# Altium PCB Netscale48HD_Sensorbar_Master.PcbDoc (part 5 of 5)
Units mil, origin at the board's own origin, x right, y up, seen from the top; angles counter-clockwise.
Board outline 18271.78 x 661.42 mil, 6 copper layers (Top Layer, PWR_Layer, Top_Signal_Layer, Bottom_Signal_Layer, GND_Layer, Bottom Layer), stack 30.644 mil thick; 300 components, 206 nets, 1127 pads, 560 vias.
Unrouted connection lines stored in the file: 11.
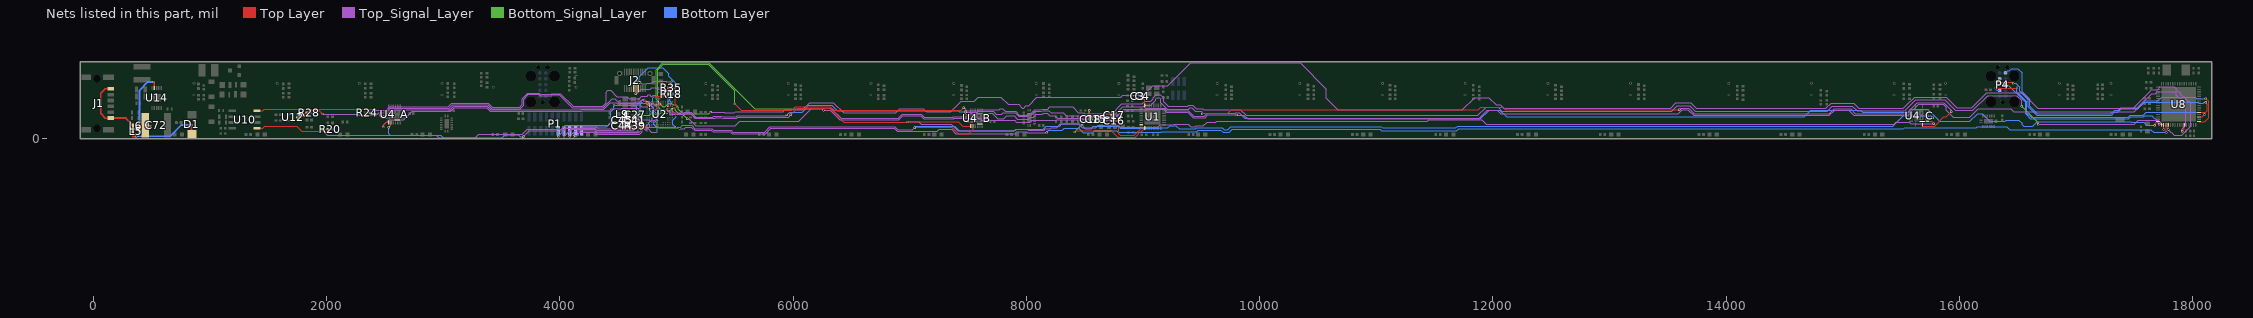
[diagram p9: the nets of this part, all layers, seen from the top]

## Via types
v1: diameter 19.68, hole 11.81, Top Layer to Bottom Layer, tented both sides, 265 vias
v2: diameter 21.65, hole 11.81, Top Layer to Bottom Layer, tented both sides, 108 vias
v3: diameter 9.84, hole 3.94, Top Layer to Bottom Layer, tented both sides, 103 vias
v4: diameter 19.68, hole 7.87, Top Layer to Bottom Layer, tented both sides, 51 vias
v5: diameter 23.62, hole 11.81, Top Layer to Bottom Layer, tented both sides, 24 vias
v6: diameter 21.65, hole 11.81, Top Layer to Bottom Layer, tented bottom, 9 vias

## Nets (pads, with @x,y where several pads share a name; then routed paths per layer and width w, separated by ;. In a path a pad name is that pad's centre, name@x,y a point inside that pad or via, vN(x,y) a via of type N, cw(c..) or ccw(c..) an arc to the next point about the centre after c; other vN are vias at no path point) (continued)
RS485_RTS: R28.1 U2.B7 U8.32 U12.2 | length 17258.3
  Top Layer w6: U12.2@1749.54,184.48 1784.65,184.48 1828.07,227.9 1830.34,230.17 R28.1@1835.52,224.98 ; R28.1@1833.26,222.71 1834.95,222.71 1835.76,221.9 1835.76,225.22 1853.97,243.43 1933.28,243.43 1967.7,209.01 v1(1967.7,212.71) ; v3(4858.38,306.69) U2.B7@4866.66,298.43 ; v1(17673.31,115.75) 17675.61,118.04 17675.61,134.59 17689.34,148.33 U8.32@17701.16,148.33
  Top_Signal_Layer w6: v1(1967.7,212.71) 2267.54,212.71 2278.45,201.8 2427.68,201.8 2449.37,223.49 2509.32,223.49 2548.28,262.45 3051.32,262.45 3081.87,293 3381.75,293 3414.76,259.99 3660.23,259.99 3689.99,289.75 3689.99,340.11 3730.59,380.71 3821.07,380.71 3831.65,370.13 3931.26,370.13 3937.5,376.37 3996.1,376.37 4106.74,265.73 4371.4,265.73 4450.8,345.13 4472.93,345.13 4507.18,310.88 4648.69,310.88 4654.65,316.84 4688.19,316.84 4703.29,331.94 4715.55,331.94 4725.39,322.09 4764.86,322.09 4796,290.94 4806.02,290.94 4806.85,291.78 4827.36,291.78 4828.24,290.9 4842.58,290.9 v3(4858.38,306.69) ; v1(6260.92,245.13) 6316.97,245.13 6399.17,162.92 6905.17,162.92 6940.89,198.64 7092.56,198.64 7119.9,171.29 7375.41,171.29 7378.85,174.73 7602.52,174.73 7617.86,159.39 7898.48,159.39 7914.04,143.83 8028.74,143.83 8045.7,160.79 8151.14,160.79 8151.84,160.09 8257.28,160.09 8260.46,163.27 8469.08,163.27 8470.42,161.93 8759.46,161.93 8837.57,240.04 9018.35,240.04 9030.33,252.02 9176.15,252.02 9198.3,229.87 9382.79,229.87 9430.76,181.9 9531.65,181.9 9554.81,205.06 9803.55,205.06 v1(9804.28,204.33)
  Bottom_Signal_Layer w6: v3(4858.38,306.69) 4827.09,337.98 4827.09,594.37 4883.17,650.46 5276.33,650.46 5670.44,256.35 6249.7,256.35 v1(6260.92,245.13)
  Bottom Layer w6: v1(9804.28,204.33) 9863.11,204.33 9897.33,170.11 11890.83,170.11 11966.11,245.39 12060.1,245.39 12117.77,187.72 14668.69,187.72 14726.35,245.38 15154.22,245.38 15170.59,229.02 15562.6,229.02 15587.06,253.48 15726.09,253.48 15830.01,149.56 16087.88,149.56 16155.3,216.98 16194.64,216.98 16259.1,152.52 16393.2,152.52 16401.74,161.06 16509.47,161.06 16538.27,132.26 16538.27,120.2 16550.98,107.48 16627.81,107.48 16665.31,144.98 17468.09,144.98 17472.82,140.25 17579.06,140.25 17603.56,115.75 v1(17673.31,115.75)
RS485_RXD: R20.1 U2.B6 U8.35 U10.1 | length 17033.1
  Top Layer w6: U10.1@1405.23,90 1451.92,90 1471.47,109.55 1744.7,109.55 1789.25,65 1966.04,65 v1(1967.7,66.66) 1983.04,82 R20.1@2011.67,82 ; v3(4833.94,266.18) 4846.97,279.22 U2.B6@4846.97,298.43 ; U8.35@17769.07,119.79 17769.8,119.05 17769.8,56.15 v1(17771.53,54.43)
  Top_Signal_Layer w6: v1(1967.7,66.66) 2004.67,29.69 2943.17,29.69 2963.61,9.25 3275.53,9.25 3305.11,38.84 3680.21,38.84 3722.37,81 4013.2,81 4048.66,116.46 4415.35,116.46 4434.74,135.86 4569.94,135.86 4598.88,164.8 4764.4,164.8 4772.17,157.04 4806.53,157.04 4806.82,157.33 4813.61,157.33 4819.02,162.74 4845.14,162.74 v3(4845.78,163.39) ; v3(5024.33,87.03) 5066.42,87.03 5080.14,100.76 5128.62,100.76 5154.96,74.41 5299.67,74.41 5313.79,60.29 5461.88,60.29 5477.26,44.91 5763.66,44.91 5808.9,90.14 6599.63,90.14 6600.37,90.88 6868.14,90.88 6893.61,65.41 7234.74,65.41 7251.26,81.93 7359.8,81.93 7396.58,45.14 7903.19,45.14 7918.54,60.49 7997.33,60.49 8005.96,51.86 8173.34,51.86 v1(8175.22,53.74)
  Bottom_Signal_Layer w6: v3(4845.78,163.39) 4845.67,163.28 4845.67,162.24 4836.5,153.06 4836.5,104.29 4847.4,93.38 5017.98,93.38 v3(5024.33,87.03)
  Bottom Layer w6: v3(4833.94,266.18) 4833.79,266.04 4833.79,259.82 4844.66,248.95 4844.66,246.3 4846.71,244.25 4846.71,232.8 4844.93,231.02 4844.93,202.34 4845.78,201.49 v3(4845.78,163.39) ; v1(8175.22,53.74) 8175.22,55.55 8193.46,73.78 8307.93,73.78 8325.99,91.84 8450.35,91.84 8489.45,52.74 8570.3,52.74 8588.16,70.61 8775.24,70.61 8789.66,56.19 9154.3,56.19 9158.64,60.53 9459.47,60.53 9471.81,72.87 9668.22,72.87 9686.02,55.08 9739.48,55.08 9765.34,80.95 11032.4,80.95 11044.09,69.25 11690.87,69.25 11706.18,84.56 15519.16,84.56 15528.94,94.34 16032.18,94.34 16032.86,93.65 16143.37,93.65 16153.12,103.4 16403.37,103.4 16428.23,78.54 17508.11,78.54 17509.83,76.83 17640.72,76.83 17663.11,54.43 v1(17771.53,54.43)
RS485_TXD: R24.1 U2.A6 U8.34 U10.4 | length 18045.2
  Top Layer w6: U10.4@1405.63,239.17 1452.2,239.17 1468.36,255.33 2371.59,255.33 ; R24.1@2370.72,222.71 2370.72,230.85 2371.59,231.71 2371.59,255.33 ; v2(2415.64,243.22) 2403.53,255.33 2371.59,255.33 ; v3(4841.7,352.36) 4841.7,351.32 4846.97,346.05 U2.A6@4846.97,318.11 ; v1(5499.58,298.98) 5554.9,243.65 5987.07,243.65 6019.2,275.78 6319.22,275.78 6351.35,243.65 7440.61,243.65 v1(7463.49,266.54) ; v1(17749.35,80.28) U8.34@17749.38,119.79
  Top_Signal_Layer w6: v2(2415.64,243.22) 2512.21,243.22 2543.34,274.35 3044.08,274.35 3074.73,305 3386.58,305 3419.69,271.9 3655.3,271.9 3678.08,294.68 3678.08,345.04 3725.66,392.61 3826.01,392.61 3836.58,382.04 3924.81,382.04 3931.05,388.28 4003.64,388.28 4114.28,277.64 4366.47,277.64 4396.93,308.1 4396.93,398.53 4412.82,414.42 4437.32,414.42 4489.48,362.25 4578.4,362.25 4597.19,343.46 4681.13,343.46 4704.22,366.54 4749.45,366.54 4759.33,376.42 4771.46,376.42 4781,366.88 4793.5,366.88 4802.26,375.64 4818.42,375.64 v3(4841.7,352.36) ; v1(7463.49,266.54) 7465.91,266.54 7490.59,241.85 7578.53,241.85 7586.56,249.89 7766.63,249.89 7774.67,257.92 7796.86,257.92 7820.4,234.39 7907.67,234.39 7938.58,203.47 8002.52,203.47 8019.36,220.32 8043.19,220.32 8070.84,247.97 8109.06,247.97 8124.59,247.97 8131.28,254.66 8182.98,254.66 8202.19,273.87 8395.98,273.87 8444.91,224.94 8491.59,224.94 8499.6,216.93 8736.68,216.93 8819.31,299.57 8993.7,299.57 9017.33,323.2 9067.74,323.2 9087.16,342.61 9087.16,351.74 9113.54,378.12 9149.61,378.12 9177.5,350.23 9177.5,318.01 9218.03,277.49 9381.87,277.49 9392.61,288.23 9427.97,288.23 9456.16,260.03 9512.88,260.03 9522.72,250.19 9833.17,250.19 9883.21,200.16 11871.25,200.16 11940.3,269.2 12009.81,269.2 12010.07,268.94 12046.13,268.94 12076.78,238.28 13532.11,238.28 13578.58,284.74 13686.67,284.74 13733.83,237.58 14864.8,237.58 14908.32,281.1 15080.95,281.1 15123.18,238.87 15530.48,238.87 15625.61,333.99 15873.85,333.99 15964.4,243.45 16113.55,243.45 16240.72,370.62 16491.85,370.62 16532.48,329.98 v1(16532.48,279.53) ; v1(16673.08,126.23) 17497.92,126.23 17530.21,158.51 17703.34,158.51 17749.35,112.5 v1(17749.35,80.28)
  Bottom_Signal_Layer w6: v3(4841.7,352.36) 4839.93,354.13 4839.93,590.38 4888.1,638.55 5271.4,638.55 5499.58,410.37 v1(5499.58,298.98) ; v1(16532.48,279.53) 16673.08,138.94 v1(16673.08,126.23)
RX1: C16.1 C17.2 U1.8 | length 507.9
  Top Layer w6: C16.1@8733.59,156.24 8726.63,163.19 8726.63,176.59 ; C17.2@8733.59,203.66 8726.63,196.71 8726.63,176.59 ; U1.8@8985.1,120.08 8985.1,90.98 8924.12,30 8804.58,30 8791.2,43.38 8791.2,103.15 8796.83,108.78 8796.83,167.94 8796.69,168.08 8796.69,168.5 8788.6,176.59 8726.63,176.59
RX2: C15.1 C18.2 U1.9 | length 1021.1
  Top Layer w6: v1(8415.08,58.91) 8425.97,69.79 8726.63,69.79 8784.61,11.81 8933.92,11.81 8964.17,42.07 8964.17,52.77 8972.51,61.1 8983.21,61.1 U1.9@9013.64,91.54 ; v1(8537.82,245.78) 8537.82,199.31 8552.05,185.08 C18.2@8553.52,185.08 ; C18.2@8553.27,185.04 8553.48,185.04 C18.2@8553.52,185.08 ; C15.1@8598.56,185.12 8553.56,185.12 C18.2@8553.52,185.08
  Top_Signal_Layer w6: v1@8537.82,242.14 v1(8537.82,245.78)
  Bottom_Signal_Layer w6: v1(8415.08,58.91) 8415.08,59.69 8537.82,182.43 v1(8537.82,245.78)
S01_A: U2.E12 U4_A.11 U4_B.11 U4_C.11 | length 14485.1
  Top Layer w6: v2(2533.32,99) 2537.56,99 2553.01,114.45 U4_A.11@2553.01,140.75 ; U2.E12@4965.08,239.37 4998.19,206.26 4998.19,199.67 v3(4998.93,198.93) ; v1(7042.23,96.06) 7045.91,99.74 7362.13,99.74 7417,44.87 7507.29,44.87 7543.17,80.75 U4_B.11@7543.17,108.74 ; U4_C.11@15720.37,170.01 15754.01,170.01 v2@15766.78,182.78
  Top_Signal_Layer w6: v2(3688.24,17.78) 3739.55,69.09 4018.13,69.09 4053.6,104.56 4310.05,104.56 4328.24,86.37 4628.27,86.37 4647.18,105.29 4740.1,105.29 4747.8,97.59 4796.65,97.59 4797.05,97.98 4807.55,97.98 4809.22,99.65 4868.44,99.65 4869.92,98.17 4988.92,98.17 4997.95,107.21 v3(4998.99,107.21) 5005.3,100.9 5035.02,100.9 5048.7,114.59 5131.63,114.59 5157.77,88.44 5302.48,88.44 5318.28,72.64 5377.03,72.64 5377.47,72.2 5469.1,72.2 5484.49,56.81 5756.53,56.81 5801.76,102.05 6594.7,102.05 6595.44,102.79 6873.07,102.79 6898.55,77.32 7023.49,77.32 v1(7042.23,96.06)
  Bottom Layer w6: v2(2533.32,99) 2533.32,43.11 2546.32,30.12 2978.44,30.12 2999.31,9.25 3506.84,9.25 3532.39,34.8 3646.07,34.8 3663.09,17.78 v2(3688.24,17.78) ; v3(4998.93,198.93) 4998.93,197.37 4998.19,196.64 4998.19,188.5 4967.48,157.78 4967.48,122.95 4985.06,105.37 4997.15,105.37 v3(4998.99,107.21) ; v1(7042.23,96.06) 7042.23,98.81 7051.67,108.26 7383.91,108.26 7423.47,68.7 7896.66,68.7 7912.26,84.3 8145.59,84.3 8170.79,109.5 8284.7,109.5 8302.76,127.56 8465.14,127.56 8504.24,88.46 8555.5,88.46 8573.37,106.32 8790.03,106.32 8804.45,91.9 9139.51,91.9 9143.84,96.24 9213.93,96.24 9231.71,114.02 9282.67,114.02 9310.12,86.57 9451.84,86.57 9461.95,96.69 9678.08,96.69 9695.88,78.89 9727.7,78.89 9753.57,104.76 11042.26,104.76 11053.96,93.06 11681.01,93.06 11696.32,108.37 15428.53,108.37 15517.78,197.61 15754.05,197.61 v2(15771.35,180.31)
S01_B: J2.9 U2.D12 | length 790.9
  Top Layer w6: J2.9@4633.86,431.1 4633.86,461.41 4656.82,484.38 v2(4659.42,484.38) ; U2.D12@4965.08,259.06 4966.44,259.06 4972.75,265.36 4995.86,265.36 5002.34,271.84 5002.34,286.37 4992.02,296.69 v3(4992.02,354.21)
  Bottom Layer w6: v2@4658.77,483.46 4680.64,505.33 4680.64,534.14 4757.81,611.32 4883.03,611.32 4935.69,558.65 4935.69,538.08 4992.02,481.76 v3(4992.02,354.21)
S02_A: U2.E11 U4_A.10 U4_B.10 U4_C.10 | length 14464.6
  Top Layer w6: v1(2488.05,100.8) 2488.05,115.43 2513.37,140.75 U4_A.10@2533.32,140.75 ; v3(4931.81,219.52) 4932.55,220.26 4932.55,226.52 U2.E11@4945.4,239.37 ; v2(5981.03,205.12) 6039.79,263.87 6314.29,263.87 6433.99,144.17 v1(6980.81,144.17) 6982.27,145.64 7416.07,145.64 7455.46,106.25 U4_B.10@7520.99,106.25 ; U4_C.10@15720.37,150.32 15759.51,150.32 v2(15779.29,130.54)
  Top_Signal_Layer w6: v1(2488.05,100.8) 2488.05,115.43 2538.28,165.66 2662.65,165.66 2735.64,238.64 3066.81,238.64 3093.91,265.73 3374.35,265.73 3405.18,234.91 4187.22,234.91 4194.23,241.92 4361.4,241.92 4361.53,241.79 4426.9,241.79 4443.04,257.93 4526.02,257.93 4529.4,261.31 4668.14,261.31 4674.13,267.29 v3(4675.17,267.29) ; v3(4931.81,219.52) 4932.85,219.52 4940.97,211.41 4991.86,211.41 4993.2,212.76 5005.46,212.76 5007.79,210.42 5070.82,210.42 5075,214.61 5122.36,214.61 5161.91,175.06 5331.25,175.06 5338.32,182.13 5389.32,182.13 5396.09,175.36 5516.19,175.36 5526.21,185.39 5961.3,185.39 v2(5981.03,205.12) ; v1(6980.81,144.17) 6982.27,145.64 7078.21,145.64 7100.18,123.67 7356.11,123.67 7410.83,68.95 7893.33,68.95 7908.67,84.3 8007.2,84.3 8015.83,75.67 8153.8,75.67 8163.79,85.66 8204.95,85.66 8213.58,94.29 8258.82,94.29 8292.09,127.56 8444.81,127.56 8478.1,94.27 8592.7,94.27 8616.66,118.23 8789.63,118.23 8807.7,100.16 9126.82,100.16 9146.72,120.05 9232.1,120.05 9232.21,119.95 9256.22,119.95 9262.21,125.93 9387.61,125.93 9409.25,104.29 9446.43,104.29 9454.2,112.06 9518.17,112.06 9549.86,143.76 9622.12,143.76 9630.9,152.54 11437.33,152.54 11449.23,164.44 11904.52,164.44 11942.74,126.23 15438.78,126.23 15453.62,141.07 15570.77,141.07 15583.32,128.53 15777.28,128.53 v2(15779.29,130.54)
  Bottom_Signal_Layer w6: v3(4675.17,267.29) 4675.17,225.39 4696.57,203.98 4770.87,203.98 4781.65,214.77 4820.21,214.77 4827.64,207.34 4850.03,207.34 4867.23,224.54 4878.68,224.54 4882.39,220.83 4910.56,220.83 4911.86,219.52 v3(4931.81,219.52)
S02_B: J2.11 U2.B11 | length 532.1
  Top Layer w6: v2(4651.44,387) 4653.54,389.11 J2.11@4653.54,431.1 ; U2.B11@4945.4,298.43 4945.4,298.31 4955.34,288.37 v3(4955.34,288.25)
  Top_Signal_Layer w6: v2(4651.44,387) 4653.8,389.37 4665.47,389.37 4700.26,424.16 4775.59,424.16 4788.48,437.05 4824.75,437.05 4837.63,424.16 4888.62,424.16 4902.15,410.63 v1(4953.26,410.63)
  Bottom Layer w6: v1(4953.26,410.63) 4953.26,382.48 4960.69,375.05 4960.69,356.87 4949.95,346.13 4949.61,346.13 4941.51,338.03 4941.51,326.18 4955.34,312.35 v3(4955.34,288.25)
S03_A: U2.E10 U4_A.9 U4_B.9 U4_C.9 | length 14568.3
  Top Layer w6: v1(2461.57,201.8) 2461.57,185.04 2467.48,179.13 U4_A.9@2504.78,179.13 ; v3(4908.18,259.45) 4908.19,256.69 4925.51,239.37 U2.E10@4925.71,239.37 ; v2@7469.3,220.81 7469.3,166.19 7488.37,147.13 U4_B.9@7494.94,147.13 ; v1(9506.24,212.55) 9514.41,220.72 9727.46,220.72 9756.12,249.38 11874.11,249.38 11893.93,269.2 12087.54,269.2 12107.13,249.61 v1(13597.34,249.61) ; U4_C.9@15681.99,121.78 15681.99,111.13 15684.5,108.61 15785.27,108.61 15865.75,189.09 15885.6,189.09 v1(15928.52,232.02)
  Top_Signal_Layer w6: v1(2461.57,201.8) 2504.47,201.8 2553.21,250.54 3061.88,250.54 3090.87,279.53 3378.38,279.53 3409.82,248.09 4178.06,248.09 4183.8,253.83 4377.33,253.83 4430.83,307.33 4482.78,307.33 4491.14,298.98 4653.62,298.98 4659.58,304.93 4691.71,304.93 4693.15,303.5 4718.21,303.5 4719.49,304.77 4738.29,304.77 4756.5,286.57 4779.85,286.57 4803.1,263.32 4803.1,259.43 4811.2,251.34 4826.14,251.34 4827.16,252.35 4903.65,252.35 v3@4907.99,256.69 ; v3@4910.44,255.12 4915.77,255.12 4947.58,223.32 4986.92,223.32 4988.27,224.66 5010.39,224.66 5012.73,222.33 5065.89,222.33 5070.07,226.51 5127.29,226.51 5166.84,186.97 5311.44,186.97 5318.51,194.04 5394.25,194.04 5401.02,187.27 5511.26,187.27 5521.28,197.29 5938.54,197.29 v1(5946.36,205.12) ; v2(7474.4,230.14) 7474.59,229.95 7583.46,229.95 7589.34,235.83 7714.56,235.83 7739.89,210.5 7789.6,210.5 7801.58,222.48 7902.74,222.48 7933.65,191.57 8007.45,191.57 8024.29,208.41 8048.12,208.41 8075.77,236.06 8104.12,236.06 8129.52,236.06 8136.21,242.76 8191.07,242.76 8211.74,222.09 8317.41,222.09 8340.48,199.02 8483.85,199.02 8487.93,194.93 8745.79,194.93 8826.61,275.76 9003.56,275.76 9015.54,287.73 9065.95,287.73 9110.97,332.75 9110.97,341.88 9123.4,354.31 9139.75,354.31 9151.31,342.75 9151.31,310.54 9208.17,253.68 9391.74,253.68 9402.48,264.42 9418.1,264.42 9447.43,235.09 9497.53,235.09 9506.24,226.38 v1(9506.24,212.55) ; v1(13597.34,249.61) 13601.04,249.61 13612.37,260.93 13676.8,260.93 13723.97,213.77 14880.71,213.77 14924.22,257.29 15065.35,257.29 15107.78,214.86 15543.89,214.86 15639.21,310.18 15863.99,310.18 15928.52,245.65 v1(15928.52,232.02)
  Bottom Layer w6: v1(5946.36,205.12) 5970.77,229.53 6077.52,229.53 6135.67,287.69 6329.67,287.69 6377.11,240.25 7414.2,240.25 7424.31,230.14 v2(7474.4,230.14)
S03_B: J2.13 U2.C10 | length 571.8
  Top Layer w6: J2.13@4673.23,431.1 4675.17,433.04 4675.17,471.5 4686.98,483.31 v2(4686.98,483.38) ; U2.C10@4925.71,278.74 4934.76,287.79 v3(4934.76,288.26)
  Top_Signal_Layer w6: v2@4686.82,479.43 4692.47,479.43 4701.77,470.13 4744.17,470.13 4748.52,474.48 4784.9,474.48 4803.59,493.17 4910.74,493.17 4914.83,489.08 v1(4957.25,489.08) ; v3(4934.76,288.26) v3@4935.18,287.8
  Bottom Layer w6: v3(4934.76,288.26) 4931.55,291.47 4931.55,319.3 4929.61,321.25 4929.61,416.24 4957.25,443.88 v1(4957.25,489.08)
TCK: P4.4 U8.53 | length 2213.4
  Top Layer w6: v1(16315.54,486.89) 16443.59,486.89 16455.07,475.41 v1(16458.75,475.41) ; U8.53@18053.52,227.07 18054.25,227.8 18110.33,227.8 18121.52,238.99 18121.52,298.25 18110.33,309.43 v1(18110.33,313.14)
  Bottom Layer w6: v1(16315.54,486.89) 16315.72,486.89 P4.4@16343.79,514.96 ; v1(16458.75,475.41) 16483.52,475.41 16516.32,442.6 16516.32,408.82 16589.18,335.96 16589.18,274.08 16661.7,201.56 17303.04,201.56 17328.15,226.66 17357.29,226.66 17386.87,256.24 17529.19,256.24 17587.47,314.52 17739.46,314.52 17739.65,314.72 18044.39,314.72 18052.36,306.75 18089.5,306.75 18095.89,313.14 v1(18110.33,313.14)
TDI: P4.8 U8.33 | length 1565.9
  Top Layer w6: v1(17711.13,124.2) 17723.81,124.2 17728.96,119.05 U8.33@17729.7,119.79
  Bottom Layer w6: P4.8@16393.79,464.96 16414.34,464.96 16565.37,313.93 16565.37,213.46 16605.16,173.68 17451.91,173.68 17467.88,189.65 17578.3,189.65 17587.32,198.67 17648.39,198.67 17688.95,158.11 17688.95,146.38 v1(17711.13,124.2)
TDO: P4.6 U8.49 | length 2359
  Top Layer w6: U8.49@18053.52,148.33 18103.8,148.33 18134.26,178.79 18134.26,320.9 18110.33,344.83 v1(18110.33,345.18)
  Bottom Layer w6: P4.6@16393.79,564.96 16411.03,582.2 16424.72,582.2 16445.42,602.91 16500.13,602.91 16538.27,564.77 16538.27,403.71 16601.09,340.89 16601.09,279.01 16666.64,213.46 17298.11,213.46 17329.06,244.41 17358.2,244.41 17381.95,268.17 17524.28,268.17 17582.54,326.43 17700.82,326.43 17732.41,358.02 18021.66,358.02 18034.5,345.18 v1(18110.33,345.18)
TMS: P4.2 U8.51 | length 2110
  Top Layer w6: v1(16309.33,435.11) 16488.19,435.11 v1(16491.85,438.76) ; U8.51@18053.52,187.7 18081.09,187.7 v1(18102.45,209.06)
  Bottom Layer w6: v1(16309.33,435.11) 16309.33,423.26 16317.63,414.96 P4.2@16343.79,414.96 ; v1(16491.85,438.76) 16491.85,404.29 16577.27,318.86 16577.27,221 16612.69,185.58 17446.83,185.58 17462.8,201.56 17573.37,201.56 17599.91,228.1 18083.4,228.1 v1(18102.45,209.06)
TRACECK: P1.12 U2.B2 | length 1277.9
  Top Layer w6: v3(4757.94,308.27) 4758.17,308.27 4768.01,298.43 U2.B2@4768.23,298.43
  Top_Signal_Layer w6: v1(3985.98,21.29) 4057.35,92.65 4305.12,92.65 4323.31,74.46 4633.2,74.46 4652.12,93.38 4735.17,93.38 4742.97,85.58 4756.48,85.58 4785.79,56.27 4829.22,56.27 v3(4833.58,60.63)
  Bottom Layer w6: v1(3985.98,21.29) P1.12@3985.98,68.87 ; v3(4757.94,308.27) 4779.12,287.08 4781.58,287.08 4802.03,266.64 4802.03,245.73 4831.74,216.01 4831.74,160.53 4816.63,145.42 4811.91,145.42 4803.81,137.32 4803.81,125.7 4833.58,95.93 v3(4833.58,60.63)
TRACED0: P1.14 U2.A1 | length 1065
  Top Layer w6: v3(4726.23,340.81) 4726.23,340.62 4748.55,318.3 U2.A1@4748.55,318.11
  Top_Signal_Layer w6: v1@4036.57,20.7 4096.62,80.75 4300.19,80.75 4318.38,62.56 4669.04,62.56 4673.61,67.13 4674.13,67.13 v3(4674.13,67.65)
  Bottom Layer w6: v1(4035.98,21.29) P1.14@4035.98,68.87 ; v3@4674.13,69.42 4674.13,142.52 4663.56,153.08 4663.56,207.92 4665.21,209.58 4665.21,236.25 4661.34,240.12 4661.34,289.84 4712.31,340.81 v3(4726.23,340.81)
TRACED1: P1.16 U2.B1 | length 1010.6
  Top Layer w6: v3(4709.17,318.11) 4711.32,320.26 4726.71,320.26 U2.B1@4748.55,298.43
  Top_Signal_Layer w6: v1@4086.57,20.7 4134.72,68.84 4295.26,68.84 4313.45,50.65 4676.77,50.65 v3(4693.77,67.65)
  Bottom Layer w6: v1(4085.98,21.29) P1.16@4085.98,68.87 ; v3(4693.77,67.65) 4693.77,118.6 4687.37,124.99 4687.37,158.04 4675.47,169.95 4675.47,202.99 4688.85,216.38 4688.85,256.57 4688.99,256.71 4688.99,297.94 v3(4709.17,318.11)
TRACED2: P1.18 U2.C2 | length 995.4
  Top Layer w6: U2.C2@4768.23,278.74 U2.C2@4768.23,278.74 v3(4778.06,268.8) v3(4778.06,268.8)
  Top_Signal_Layer w6: v1(4121.16,21.29) 4123.78,23.91 4139.78,23.91 4172.81,56.94 4290.32,56.94 4308.51,38.75 4684.42,38.75 4707.95,62.28 4707.95,74.22 4715.21,81.48 4727.5,81.48 4735.3,73.68 4739.61,73.68 4745.63,67.65 v3(4746.67,67.65)
  Bottom Layer w6: v1(4121.16,21.29) 4121.16,24.99 4124.48,28.31 4124.48,57.37 P1.18@4135.98,68.87 ; v3(4746.67,67.65) 4747.41,68.38 4747.41,81.29 4771.81,105.69 4771.81,117.14 4764.24,124.72 4764.24,136.83 4791.89,164.48 4791.89,176.81 4801.2,186.12 4801.2,220.61 4793.63,228.19 4784.76,228.19 4772.51,240.44 4772.51,253.76 4777.33,258.58 4777.33,268.07 v3(4778.06,268.8)
TRACED3: P1.20 U2.D2 | length 778.4
  Top Layer w6: v3(4758.18,269.14) U2.D2@4768.23,259.09 ; U2.D2@4767.83,259.06 U2.D2@4768.23,259.06
  Top_Signal_Layer w6: v1(4464.68,288.58) 4464.68,288.19 4464.29,287.8 4465.01,287.07 4658.55,287.07 4664.51,293.03 4686.78,293.03 4704.27,275.54 4711.05,275.54 4711.45,275.15 4751.13,275.15 4757.14,269.14 v3(4758.18,269.14)
  Bottom Layer w6: P1.20@4185.98,68.87 4185.98,93.74 4197.48,105.24 4404.12,105.24 4438.64,139.76 4438.64,232.58 4464.68,258.62 v1(4464.68,288.58)
TWI_SCL_3.3V: R18.1 U2.B5 U8.36 | length 14929.5
  Top Layer w6: U2.B5@4827.29,298.43 4827.48,298.43 4833.78,304.72 v3(4833.97,304.72) ; v3(4862.59,353.5) 4875.97,353.5 4883.15,360.68 4894.92,360.68 4897.59,363.34 4914.64,363.34 4929.3,378 R18.1@4935.11,378 ; v1(17788.75,79.81) U8.36@17788.75,119.79
  Top_Signal_Layer w6: v1(5293.81,229.53) 5294.04,229.76 5409.04,229.76 5415.81,222.98 5496.47,222.98 5506.49,233.01 5914.06,233.01 5930.19,249.13 6080.03,249.13 6142.4,311.5 6343.95,311.5 6433,222.45 6880.52,222.45 6916.23,258.17 7117.21,258.17 7144.56,230.82 7350.75,230.82 7440.93,321 7551.35,321 7587.76,357.41 7781.56,357.41 7844.49,294.48 7933.03,294.48 7964.51,263 7977.86,263 7996.78,281.92 8018.37,281.92 8090.87,354.42 8807.06,354.42 8825.42,372.78 8999.56,372.78 9083.56,456.78 9211.74,456.78 9407.08,652.12 10345.9,652.12 10572.04,425.97 10572.04,348.77 10670.62,250.19 11738.77,250.19 11842.73,354.15 11965.85,354.15 12027.25,292.75 12062.05,292.75 12092.7,262.09 13522.25,262.09 13568.71,308.56 13696.53,308.56 13743.69,261.39 14854.94,261.39 14898.45,304.91 15093.62,304.91 15135.86,262.68 15519.09,262.68 15549.16,292.75 15549.27,292.75 15614.33,357.8 15883.72,357.8 15974.26,267.26 16103.69,267.26 16232.64,396.21 16535.62,396.21 16670.66,261.17 17490.84,261.17 17636.13,406.47 17636.13,411.4 17647.11,422.39 17697.72,422.39 17719.97,444.64 17842.24,444.64 17858.59,428.28 17858.59,418.12 17873.2,403.51 17882.92,403.51 17897.54,388.89 17897.54,379.17 17915.78,360.93 17925.5,360.93 17939.39,347.04 17939.39,337.32 17956.19,320.53 17967.65,320.53 17982.7,305.48 17982.7,110.04 17902.69,30.03 17838.53,30.03 v1(17788.75,79.81)
  Bottom_Signal_Layer w6: v3(4833.97,304.72) 4846.05,292.64 4865.05,292.64 4884.42,273.28 4900.82,273.28 4920.93,293.39 4920.93,293.99 4933.29,306.35 4956.82,306.35 4972.28,290.89 4996.37,290.89 5014.49,272.77 5014.49,254.24 5035.78,232.94 5042.87,232.94 5061.59,214.22 5278.5,214.22 v1(5293.81,229.53)
  Bottom Layer w6: v3(4833.97,304.72) 4833.97,322.87 4861.86,350.75 4861.86,352.76 v3(4862.59,353.5)
TWI_SDA_3.3V: R35.1 U2.B3 U8.43 | length 14516.7
  Top Layer w6: U2.B3@4787.92,298.43 4787.92,299.08 4792.51,303.67 4792.6,303.67 4797.2,308.27 v3(4798.24,308.27) ; v3(4807.99,361.81) 4810.76,364.58 4865.97,364.58 4871.22,369.83 4884.35,369.83 4909.7,395.18 4909.7,419.03 R35.1@4929.26,438.58 ; v1(17909.93,63.78) 17909.93,71.61 17926.55,88.24 U8.43@17926.55,119.79
  Top_Signal_Layer w6: v1(5092.63,172.05) 5095.25,169.43 5110.46,169.43 5167.63,112.25 5503.59,112.25 5541.01,149.67 6047.92,149.67 6162.12,263.87 6324.22,263.87 6413.27,174.83 6900.24,174.83 6935.96,210.54 7097.49,210.54 7124.84,183.2 7370.48,183.2 7374.76,187.48 7489.53,187.48 7520.09,218.04 7709.16,218.04 7754.38,172.82 7807.15,172.82 7818.76,184.43 7818.76,186.51 7829.74,197.49 7894.05,197.49 7923.79,167.76 8017.31,167.76 8034.15,184.6 8057.98,184.6 8085.63,212.25 8139.38,212.25 8146.07,218.94 8181.11,218.94 8201.78,198.28 8244.97,198.28 8268.04,175.2 8473.98,175.2 8476.25,172.93 8754.91,172.93 8833.92,251.94 9013.42,251.94 9025.4,263.92 9181.09,263.92 9203.24,241.77 9387.72,241.77 9435.69,193.8 9526.71,193.8 9550.38,217.47 9790.91,217.47 9796.52,223.08 9825.99,223.08 9872.72,176.35 11881.11,176.35 11950.16,245.39 11999.95,245.39 12000.21,245.13 12036.27,245.13 12067.62,213.77 13588.39,213.77 13606.35,231.73 13606.74,231.73 13624.04,249.03 13671.87,249.03 13720.43,200.48 14884.25,200.48 14929.16,245.38 15051.45,245.38 15093.88,202.95 15554.2,202.95 15649.53,298.28 15859.06,298.28 15887.52,269.81 15887.52,246.5 15947.23,186.8 16089.28,186.8 16161.23,258.75 16439.48,258.75 16465.13,233.11 17496.44,233.11 17648.23,384.89 17677.06,384.89 17695.55,403.38 17849.26,403.38 17858.59,394.06 17858.59,374.82 17875.09,358.32 17897.69,358.32 17901.21,354.8 17901.21,332.2 17918.69,314.72 17936.93,314.72 17940.95,310.69 17940.95,116.53 17909.93,85.51 v1(17909.93,63.78)
  Bottom_Signal_Layer w5.91: 4976.14,262.95 4981.85,262.95 4990.08,254.71 4990.08,243.42 5001.25,232.25
  Bottom_Signal_Layer w6: v3(4798.24,308.27) 4798.37,308.27 4823.46,283.17 4836.5,283.17 4847.78,271.89 4847.78,267.12 4866.55,248.35 4899.53,248.35 4902.26,245.62 4951.02,245.62 4968.34,262.95 4976.14,262.95 ; 5001.25,232.25 5012.46,221.04 5037.94,221.04 5061.12,197.85 5066.83,197.85 v1(5092.63,172.05)
  Bottom Layer w6: v3(4798.24,308.27) 4798.24,351.87 4807.99,361.62 v3(4807.99,361.81)
VCC: C72.2 L5.2 L6.2 U14.4 | length 755.3
  Top Layer w12: v1(513.83,487.66) 524.37,477.11 U14.4@524.34,436.79
  Top Layer w19.68: L5.2@394.24,65.73 L6.2@394.24,111.94 442.54,111.94 442.54,121.74 445.7,124.9 C72.2@445.7,115.1 455.71,105.09 v1(496.25,105.09)
  Bottom Layer w16: v1(496.25,105.09) 445.72,105.09 398.03,152.79 398.03,416.21 469.47,487.66 v1(513.83,487.66)
VCCBus: D1.1 J1.1 J1.6 L5.1 L6.1 | length 1339.1
  Top Layer w11.81: J1.1@156.66,177.48 105.03,177.48 63.75,218.76 63.75,389.23 102,427.48 156.66,427.48 J1.6@169.66,427.48
  Top Layer w16: J1.1@156.66,177.48 163.16,177.48 163.81,178.14 280.81,178.14 339.12,119.82 L6.1@339.12,111.94 L5.1@339.12,65.73 339.12,24.01 342.19,20.95 368.37,20.95 v1(369.07,21.65) ; D1.1@840.24,35 D1.1@843.76,38.52 ; v1(843.76,116.73) D1.1@843.76,38.52 ; D1.1@846.4,41.16 D1.1@843.76,38.52
  Bottom Layer w16: v1(369.07,21.65) 659.08,21.65 756.13,118.7 841.79,118.7 v1(843.76,116.73)
VDD-X: C3.2 C4.2 U1.32 | length 115
  Top Layer w6: C3.2@8954.33,343.88 8960.53,350.08 8995.57,350.08 9013.64,332.01 U1.32@9013.64,286.42
VDDA: C44.2 C45.2 L9.2 R39.1 U2.M1 | length 396.7
  Top Layer w6: L9.2@4570.73,211.27 4570.73,209.3 4527.23,165.8 4524.1,165.8 C45.2@4517.26,158.96 C44.2@4517.26,111.23 4517.26,98.16 4524.79,90.63 4625.84,90.63 ; R39.1@4625.84,111.23 4625.84,90.63 ; 4646.47,90.52 4737.49,90.52 U2.M1@4748.55,101.58 ; 4646.47,90.63 4625.84,90.63
VREF+: C27.2 C41.2 R39.2 U2.L1 | length 184.5
  Top Layer w8: C27.2@4666.15,204.55 4665.21,203.61 C41.2@4665.21,159.22 R39.2@4665.21,111.23 4669.18,107.26 4677.96,107.26 4734.55,107.26 U2.L1@4748.55,121.26
pads on no net: C1.0 C2.0 C3.0 C4.0 C5.0 C6.0 C7.0 C8.0 C9.0 C10.0 C11.0 C12.0 C13.0 C14.0 C15.0 C16.0 C17.0 C18.0 C19.0 C20.0 C21.0 C22.0 C23.0 C24.0 C25.0 C27.0 C29.0 C41.0 C44.0 C45.0 C51.0 C52.0 C54.0 C55.0 C58.0 C59.0 C61.0 C62.0 C65.0 C66.0 C75.0 C76.0 C77.0 C78.0 C79.0 C80.0 C81.0 C82.0 C83.0 C84.0 C85.0 C86.0 C87.0 C88.0 J1.0 J2.21 J2.22 J2.23 J2.24 L1.0 L2.0 L9.0 P1.7 P1.9 P1.11 P1.13 P3.5 P3.7 P3.None P4.5 P4.7 P4.9 P4.None R1.0 R2.0 R3.0 R4.0 R6_A.0 R6_B.0 R6_C.0 R7_A.0 R7_B.0 R7_C.0 R8_A.0 R8_B.0 R8_C.0 R9_A.0 R9_B.0 R9_C.0 R10_A.0 R10_B.0 R10_C.0 R11_A.0 R11_B.0 R11_C.0 R12_A.0 R12_B.0 R12_C.0 R13_A.0 R13_B.0 R13_C.0 R14_A.0 R14_B.0 R14_C.0 R15_A.0 R15_B.0 R15_C.0 R16.0 R17_A.0 R17_B.0 R17_C.0 R18.0 R19_A.0 R19_B.0 R19_C.0 R20.0 R21_A.0 R21_B.0 R21_C.0 R22.0 R23_A.0 R23_B.0 R23_C.0 R24.0 R25_A.0 R25_B.0 R25_C.0 R26.0 R27_A.0 R27_B.0 R27_C.0 R28.0 R30.0 R32.0 R33.0 R35.0 R38.0 R39.0 R40.0 R41.0 R42.0 TVS1.3 TVS1.7 U1.12 U1.14 U1.20 U1.22 U1.27 U2.A2 U2.A5 U2.B9 U2.B10 U2.B12 U2.C3 U2.C9 U2.C12 U2.D10 U2.D11 U2.H10 U2.H11 U2.H12 U2.J12 U2.K9 U2.K10 U2.K11 U2.K12 U2.L6 U2.L8 U2.L12 U2.M6 U2.M7 U2.M10 U2.M11 U4_A.6 U4_B.6 U4_C.6 U8.1 U8.3 U8.4 U8.5 U8.6 U8.9 U8.10 U8.11 U8.13 U8.14 U8.15 U8.19 U8.23 U8.25 U8.37 U8.38 U8.40 U8.41 U8.42 U8.44 U8.47 U8.48 U8.50 U8.52 U8.56 U8.57 U8.59 U8.63 U14.7 U14.9
copper on no net:
  other v5: 5116.44,375.38 7242.18,375.64 7950.89,375.61 8659.82,375.73 9502.34,375.72 10919.34,375.74 730.18,376.97 1442.87,377.03 2856.86,376.77 5824.86,376.65 6533.88,376.61 10210.7,376.53 11627.8,376.75 12336.85,376.54 13045.33,376.54 13887.97,376.54 14596.51,376.54 15305.11,376.54 16013.76,376.44 16722.24,376.53 17431.25,376.53 2147.26,377.38 3564.08,541.64 4273.58,542.1

## Polygon pours and split planes (outlines as drawn)
GND on Bottom Layer "Bottom_Layer" (solid, pour order 54): -104.55,5.68 -104.55,662.18 613.77,662.18 613.77,274.62 4405.75,274.62 4405.75,665.33 5013.44,665.33 5013.44,266.18 8803.16,266.18 8803.16,662.18 9400.9,662.18 9400.9,280.68 13193.32,280.68 13193.33,662.18 13774.07,662.18 13774.07,280.68 17588.02,280.68 17588.02,662.18 18158.83,662.18 18158.83,5.67
GND on Top Layer "Top_Layer" (solid, pour order 58): -104.55,5.68 -104.55,662.18 613.77,662.18 613.77,274.62 4405.75,274.62 4405.75,665.33 5013.44,665.33 5013.44,266.18 8803.16,266.18 8803.16,662.18 9400.9,662.18 9400.9,280.68 13193.32,280.68 13193.33,662.18 13774.07,662.18 13774.07,280.68 17588.02,280.68 17588.02,662.18 18158.83,662.18 18158.83,5.67
GND on Top_Signal_Layer "Top_Signal_Layer" (solid, pour order 62): -104.55,5.68 -104.55,662.18 613.77,662.18 613.77,274.62 4405.75,274.62 4405.75,665.33 5013.44,665.33 5013.44,266.18 8803.16,266.18 8803.16,662.18 9400.9,662.18 9400.9,280.68 13193.32,280.68 13193.33,662.18 13774.07,662.18 13774.07,280.68 17588.02,280.68 17588.02,662.18 18158.83,662.18 18158.83,5.67
GND on Bottom_Signal_Layer "Bottom_Signal_Layer" (solid, pour order 36): -110.11,0 -110.12,656.5 608.21,656.5 608.21,268.94 4400.18,268.94 4400.18,659.65 5007.88,659.65 5007.88,260.5 8797.6,260.5 8797.6,656.5 9395.34,656.5 9395.34,275 13187.76,275 13187.76,656.5 13768.5,656.5 13768.5,275 17582.46,275 17582.46,656.5 18153.27,656.5 18153.27,-0.01
3V3 on PWR_Layer "PWR_Layer" (solid, pour order 66): -104.55,5.68 -104.55,662.18 613.77,662.18 613.77,274.62 4405.75,274.62 4405.75,665.33 5013.44,665.33 5013.44,266.18 8803.16,266.18 8803.16,662.18 9400.9,662.18 9400.9,280.68 13193.32,280.68 13193.33,662.18 13774.07,662.18 13774.07,280.68 17588.02,280.68 17588.02,662.18 18158.83,662.18 18158.83,5.67
no net on GND_Layer "GND_Layer" (solid, pour order 70): -104.55,5.7 -104.55,662.19 613.77,662.19 613.77,274.63 4405.75,274.63 4405.75,665.34 5013.44,665.34 5013.44,266.19 8803.16,266.19 8803.16,662.19 9400.9,662.19 9400.9,280.7 13193.32,280.7 13193.33,662.19 13774.07,662.19 13774.07,280.7 17588.02,280.7 17588.02,662.19 18158.83,662.19 18158.83,5.68

## Keep-outs
Keep-Out Layer:
  circle w0.51: c14962.6,196.85 r39.37
  circle w0.51: c11986.22,196.85 r39.37
  circle w0.51: c6175.2,196.85 r39.37
  circle w0.51: c3198.86,196.57 r39.37
  lines w0.39: 708.11,0.2 cw(c730.28,-7.95) 752.45,0.2
  lines w0.5: -110.24,661.42 -110.24,0 ; 1606.92,0 1007.76,0 -110.24,0 ; 1651.46,0 2250.62,0 ; 2295.16,0 2894.32,0 ; 2938.86,0 3538.02,0 ; 3582.56,0 4181.72,0 ; 4226.27,0 5309.68,0 ; 5354.22,0 5953.38,0 ; 5997.92,0 6597.08,0 7240.78,0 7884.48,0 8528.18,0 9656.13,0 10299.83,0 10943.53,0 11587.24,0 ; 12275.48,0 12874.64,0 ; 12919.18,0 14002.59,0 ; 14047.13,0 14646.29,0 ; 14690.83,0 15289.99,0 ; 15334.53,0 15933.69,0 ; 15978.23,0 16577.39,0 ; 16621.93,0 17221.09,0 ; 18161.42,0 -110.24,0
  lines w0.51: -110.24,661.38 18161.42,661.42 18161.42,0 17165.83,0

## Other copper
PWR_Layer:
  region: -106.5,-1045.39

## Silkscreen, mask and mechanical layers (free items; w line width, h text height)
Top Overlay:
  lines w3.94: 908.36,515.12 912.44,515.12 948.43,479.13 948.43,475.9 ; 963.48,520.24 996.23,520.24 1001.49,516.33 1001.64,515.31
  lines w4.5: 958.66,164.57 969.69,175.59 998.04,175.59 1049.61,175.59 1063.39,161.81 ; 959.06,207.48 962.99,211.42 ; 963.39,211.42 987.01,211.42 1007.48,211.42 1051.57,211.42 1063.39,199.61 ; 8944.98,443.24 8952.53,443.24 8964.94,455.65 8964.94,466.2
  text "PCB version 0.2" at 13950.26,75.52 h23.62
Bottom Overlay:
  text "PCB version 0.2" at 18144.22,80.28 h23.62
Antenna_Dimensions:
  lines w0.39: -110.36,661.42 -110.36,819.22 ; 0,641.69 18161,641.69 ; 730.18,-78.74 730.18,459.02 ; 730.28,661.42 730.28,459.02 17431.1,459.02 ; 1438.84,-47.1 1438.84,459.02 ; 2147.5,-91.72 2147.5,459.02 ; 3564.82,-99.04 3564.82,459.02 ; 4273.48,-92.79 4273.48,459.02 ; 4564.96,501.97 4722.44,501.97 ; 4643.7,0 4643.7,2127 ; 5116.14,-98.99 5116.14,462.26 ; 5116.14,-34 5116.14,688.19 ; 5824.8,-100.54 5824.8,459.02 ; 6533.46,-89.54 6533.46,459.02 ; 7242.13,-106.72 7242.13,459.02 ; 7950.79,-111.62 7950.79,459.02 ; 8659.45,-150.97 8659.45,459.02 ; 9080.71,-129.83 9080.71,944.88 ; 9501.97,-111.08 9501.97,459.02 ; 10210.63,-125.55 10210.63,459.02 ; 10919.29,-103.08 10919.29,459.02 ; 11627.95,-151.59 11627.95,459.02 ; 12336.61,-111.08 12336.61,459.02 ; 13045.28,-96.61 13045.28,459.02 ; 13474.41,331.03 13474.41,586.24 ; 14596.46,-105.29 14596.46,459.02 ; 15305.12,-123.1 15305.12,459.02 ; 16013.78,-95.81 16013.78,459.02 ; 16722.44,-98.46 16722.44,459.02 ; 17431.1,-119.68 17431.1,459.02 ; 17431.1,693 17431.1,459.02 ; 18161.42,-66.38 18161.42,701.42
Antenna_Position:
  drawing of 347 lines, arcs and shapes, not listed
  text "2" at 1450.39,249.69 h19.68
  text "7" at 5131.72,249.69 h19.68
  text "8" at 5848.1,249.69 h19.68
  text "9" at 6556.76,249.69 h19.68
  text "10" at 7265.44,249.69 h19.68
  text "11" at 7974.1,249.69 h19.68
  text "12" at 8682.75,249.69 h19.68
  text "13" at 9533.16,249.69 h19.68
  text "14" at 10241.82,249.69 h19.68
  text "15" at 10948.82,249.69 h19.68
  text "16" at 11651.97,249.69 h19.68
  text "17" at 12379.92,249.69 h19.68
  text "18" at 13073.62,249.69 h19.68
  text "19" at 13925.59,249.69 h19.68
  text "20" at 14631.89,249.69 h19.68
  text "21" at 15344.18,249.69 h19.68
  text "22" at 16052.36,249.69 h19.68
  text "23" at 16761.1,249.69 h19.68
  text "24" at 17471.26,249.69 h19.68
  text "1" at 753.54,247.68 h19.68
  text "3" at 2163.99,247.68 h19.68
  text "4" at 2871.72,247.68 h19.68
  text "5" at 3580.4,247.68 h19.68
  text "6" at 4289.05,247.68 h19.68
Drill_Hole_Dimensions:
  circle w0.39: c0,0 r23.62
  circle w0.79: c31.85,90.55 r31.5
  circle w0.5: c14962.6,196.85 r39.37
  circle w0.5: c11986.22,196.85 r39.37
  circle w0.5: c11986.22,196.85 r39.37
  circle w0.5: c3198.82,196.85 r39.37
  circle w0.5: c3198.82,196.85 r39.37
  circle w0.5: c6175.2,196.85 r39.37
  lines w0: 18161.42,0 18161.42,661.42
  lines w0.39: -415.28,1175.67 -0.68,1175.67 0,1174.99 ; -163.23,0 -110.11,0 0,0 ; -163.23,90.55 163.23,90.55 ; -110.36,661.42 -108.19,663.59 ; -110.24,663.59 -110.24,1364.02 ; -44.49,-68.23 0.06,-23.68 ; -20.88,20.88 0,0 ; -20.86,-20.88 -20.88,-20.88 0,0 ; -16.68,-16.73 -16.68,-16.68 ; -16.68,16.68 -16.68,16.73 ; 0,669.29 0,0 ; 16.68,16.68 16.68,16.73 ; 20.88,-20.88 0,0 ; 20.88,20.88 0,0 ; 31.5,-44.49 31.5,763.27 ; 43.04,-66.65 0,-23.62 0.12,-23.74 0.12,-258.03 -0.08,-258.23 279.13,-258.23 279.84,-257.52 ; 707.9,-0.04 cw(c730.18,-7.91) 752.45,-0.04 ; 707.92,0 -110.24,0 -110.24,661.42 0,661.42 18161.42,661.42 ; 1461.11,-0.04 ccw(c1438.84,-7.91) 1416.57,-0.04 752.43,0 752.39,-0.04 ; 1461.09,0 2124.3,-0.04 ; 2124.3,0.09 cw(c2147.5,-7.91) 2170.68,0.13 ; 2170.68,0 2833.9,-0.04 cw(c2856.16,-7.91) 2878.43,-0.04 ; 2878.42,0 3542.55,-0.04 cw(c3564.82,-7.91) 3587.09,-0.04 ; 3587.08,0 4251.23,-0.04 cw(c4273.48,-7.91) 4295.75,-0.04 ; 4295.74,0 5093.88,0 ; 4702.76,330.45 4702.76,585.65 ; 5093.87,-0.04 cw(c5116.14,-7.91) 5138.41,-0.04 ; 5138.41,0 5802.62,-0.04 ; 5802.53,-0.04 cw(c5824.8,-7.91) 5847.07,-0.04 ; 5847.1,0 6511.23,-0.04 cw(c6533.46,-7.91) 6555.74,-0.04 ; 6555.64,0 7219.86,0 ; 7219.85,-0.04 cw(c7242.13,-7.91) 7264.4,-0.04 ; 7264.57,0.08 7928.53,-0.04 cw(c7950.79,-7.91) 7973.06,-0.04 ; 7973.04,0 8637.18,-0.04 cw(c8659.45,-7.91) 8681.72,-0.04 ; 8681.71,0 9479.69,0 ; 9080.71,-549.96 9080.71,989 ; 9479.7,-0.04 cw(c9501.97,-7.91) 9524.24,-0.04 ; 9524.17,0 10188.36,-0.04 cw(c10210.63,-7.91) 10232.9,-0.04 ; 10232.89,0 10897.02,-0.04 cw(c10919.29,-7.91) 10941.56,-0.04 ; 10941.55,0 11605.68,-0.04 cw(c11627.95,-7.91) 11650.22,-0.04 ; 11650.21,0 12314.36,-0.04 cw(c12336.61,-7.91) 12358.89,-0.04 ; 12358.87,-0.04 13023,-0.04 cw(c13045.28,-7.92) 13067.55,-0.04 ; 13067.53,0 13865.52,-0.04 cw(c13887.8,-7.91) 13910.07,-0.04 ; 13910.05,0 14574.19,0 ; 14574.19,-0.04 cw(c14596.46,-7.92) 14618.73,-0.04 ; 14618.71,0 15282.85,-0.04 cw(c15305.12,-7.91) 15327.39,-0.04 ; 15159.45,196.85 18508.58,195.4 ; 15327.39,0.01 15991.91,-0.04 ; 15991.91,0.11 cw(c16013.78,-7.91) 16035.65,0.11 ; 16035.65,0.01 16700.57,-0.04 ; 16700.57,0.11 cw(c16722.44,-7.91) 16744.31,0.11 ; 16744.31,0.01 17408.85,-0.04 ; 17398.06,0 18161.42,0 ; 17408.83,-0.04 cw(c17431.1,-7.91) 17453.37,-0.04 ; 18161.51,0 18496.69,0 ; 18416.27,54.59 18470.86,0 ; 18416.48,140.85 18471.08,195.45 ; 18470.77,0 18471.15,0 18471.15,195.42 18525.74,140.83 ; 18470.93,-0.03 18525.53,54.57 ; 752.39,-0.04 752.43,-0.04 ; 16.7,-16.71 16.7,-16.7
  lines w0.5: 3001.97,196.85 3395.67,196.85 ; 3198.82,1.46 3198.82,1704.21 ; 5979.18,196.85 6372.89,196.85 ; 6175.2,1.46 6175.2,395.16 ; 11854.13,196.85 12118.31,196.85 ; 11986.22,1.46 11986.22,395.16 ; 14765.75,196.85 15159.45,196.85 ; 14962.6,1.46 14962.6,395.16
  lines w0.98: 1598.76,908.29 1598.76,908.29 ; 1598.76,909.75 1598.76,909.75
  lines w1.18: -82.4,1147.83 -110.24,1175.67 -82.4,1203.51 ; -28.18,1147.49 -0.34,1175.33 -28.18,1203.17
  text "-2.80" at -990.28,1120.08 h118.11
  text "5" at 18627.48,27.87 h118.11
  text "Origin" at 292.13,-314.02 h118.11
Board_Cut_Outs:
  circle w0.5: c14962.6,196.85 r39.37
  circle w0.5: c11986.22,196.85 r39.37
  circle w0.5: c3198.82,196.85 r39.37
  circle w0.5: c6175.2,196.85 r39.37
  pour cut-out: 3542.73,0.18 cw(c3564.92,-7.94) 3587.09,0.2 3587.08,0.2
  lines w0.39: 3587.08,0.2 3542.73,0.18 cw(c3564.92,-7.94) 3587.09,0.2 ; 5093.88,0 5138.4,0 ; 5093.96,0.18 cw(c5116.14,-7.94) 5138.32,0.2 ; 5802.61,0.16 cw(c5824.8,-7.94) 5847,0.14 ; 5802.65,0 5847.02,0 ; 6511.23,0 6555.72,0 ; 6511.28,0.16 cw(c6533.46,-7.94) 6555.66,0.16 ; 7219.94,0 7264.17,0.16 ; 7219.94,0.16 cw(c7242.13,-7.94) 7264.32,0.15 ; 7928.52,-0.04 7973.04,0 ; 7928.52,0.12 cw(c7950.79,-7.76) 7973.06,0.12 ; 8637.2,0.12 8681.61,0.12 ; 8637.24,0.12 cw(c8659.45,-7.94) 8681.65,0.12 ; 9479.76,0 9524.17,0 ; 9479.76,0.12 cw(c9501.97,-7.94) 9524.17,0.12 ; 10188.42,-0.01 10232.84,0.01 ; 10188.42,0.11 cw(c10210.63,-7.94) 10232.83,0.13 ; 10897.08,0.11 cw(c10919.29,-7.94) 10941.5,0.12 ; 10897.09,0 10941.5,0 ; 11650.16,0.08 11605.75,0.09 cw(c11627.95,-7.94) 11650.16,0.11 ; 12314.4,0 12358.83,0 ; 12314.4,0.08 cw(c12336.61,-7.94) 12358.83,0.08 ; 13023.06,0 13067.49,0 ; 13023.06,0.08 cw(c13045.28,-7.94) 13067.49,0.08 ; 13865.58,0 13910.01,0 ; 13865.58,0.08 cw(c13887.8,-7.94) 13910.01,0.08 ; 14574.24,0 14618.67,0 ; 14574.24,0.08 cw(c14596.46,-7.94) 14618.67,0.08 ; 16744.32,0 16700.56,0 cw(c16722.44,-7.94) 16744.34,0.01 ; 708.1,0.2 cw(c730.27,-7.95) 752.44,0.2 708.1,0.22 ; 1416.76,0.22 cw(c1438.93,-7.94) 1461.1,0.21 1416.76,0.22 ; 2124.45,0.22 cw(c2147.59,-7.94) 2170.76,0.15 2124.45,0.22 ; 2834.07,0.18 cw(c2856.26,-7.94) 2878.42,0.22 2834.07,0.18 ; 4251.39,0.16 cw(c4273.58,-7.94) 4295.77,0.16 4251.39,0.16 ; 15282.9,0.08 cw(c15305.12,-7.94) 15327.34,0.08 15282.9,0.08 ; 15991.88,0 cw(c16013.78,-7.94) 16035.67,0.01 15991.88,0 ; 17408.86,0 cw(c17431.1,-7.94) 17453.35,0 17408.86,0

## Dimensions
31.5,-44.49 to -110.24,0 on Drill_Hole_Dimensions
-110.24,0 to -163.23,90.55 on Drill_Hole_Dimensions
4564.96,501.97 to -110.11,0 on Antenna_Dimensions
18161.42,701.42 to 4643.7,2338.33 on Antenna_Dimensions
0,641.69 to 4643.7,2127 on Antenna_Dimensions
730.18,-129.83 to -110.36,661.42 on Antenna_Dimensions
13887.8,416.69 to 13045.28,459.02 on Antenna_Dimensions
18161.42,701.42 to 14962.6,395.16 on Drill_Hole_Dimensions
11986.22,827.49 to 14962.6,395.16 on Drill_Hole_Dimensions
6175.2,395.16 to 11986.22,395.16 on Drill_Hole_Dimensions
6175.2,395.16 to 3198.82,1.46 on Drill_Hole_Dimensions
3198.82,1.46 to 0,661.38 on Drill_Hole_Dimensions
-110.36,661.42 to -110.24,0 on Antenna_Dimensions
4273.48,-92.79 to 5116.14,-34 on Antenna_Dimensions
730.18,459.02 to 1438.84,-47.1 on Antenna_Dimensions
17431.1,-119.68 to 18161.42,-66.38 on Antenna_Dimensions
16722.44,-98.46 to 17431.1,-119.68 on Antenna_Dimensions
16013.78,-95.81 to 16722.44,-98.46 on Antenna_Dimensions
15305.12,-123.1 to 16013.78,-95.81 on Antenna_Dimensions
14596.46,-105.29 to 15305.12,-123.1 on Antenna_Dimensions
13887.8,-108.31 to 14596.46,-105.29 on Antenna_Dimensions
12336.61,-111.08 to 13045.28,-96.61 on Antenna_Dimensions
11627.95,-151.59 to 12336.61,459.02 on Antenna_Dimensions
10919.29,-103.08 to 11627.95,459.02 on Antenna_Dimensions
10210.63,-220.59 to 10919.29,459.02 on Antenna_Dimensions
9501.97,-111.08 to 10210.63,459.02 on Antenna_Dimensions
8659.45,459.02 to 9501.97,459.02 on Antenna_Dimensions
7950.79,459.02 to 8659.45,-150.97 on Antenna_Dimensions
7242.13,459.02 to 7950.79,-111.62 on Antenna_Dimensions
7242.13,-106.72 to 6533.46,-129.76 on Antenna_Dimensions
5824.8,-129.83 to 6533.46,-89.54 on Antenna_Dimensions
5116.14,-98.99 to 5824.8,459.02 on Antenna_Dimensions
3564.82,-110.63 to 4273.48,459.02 on Antenna_Dimensions
2856.16,459.02 to 3564.82,459.02 on Antenna_Dimensions
2147.5,459.02 to 2856.16,-91.72 on Antenna_Dimensions
1438.84,-81.24 to 2147.5,-91.72 on Antenna_Dimensions
-110.24,0 to 18161.42,-66.38 on Drill_Hole_Dimensions